# Altium PCB Shredmaster.PcbDoc
Units mil, origin at the board's own origin, x right, y up, seen from the top; angles counter-clockwise.
Board outline 2325 x 3865 mil, 2 copper layers (Top Layer, Bottom Layer); 78 components, 50 nets, 203 pads, 180 vias.
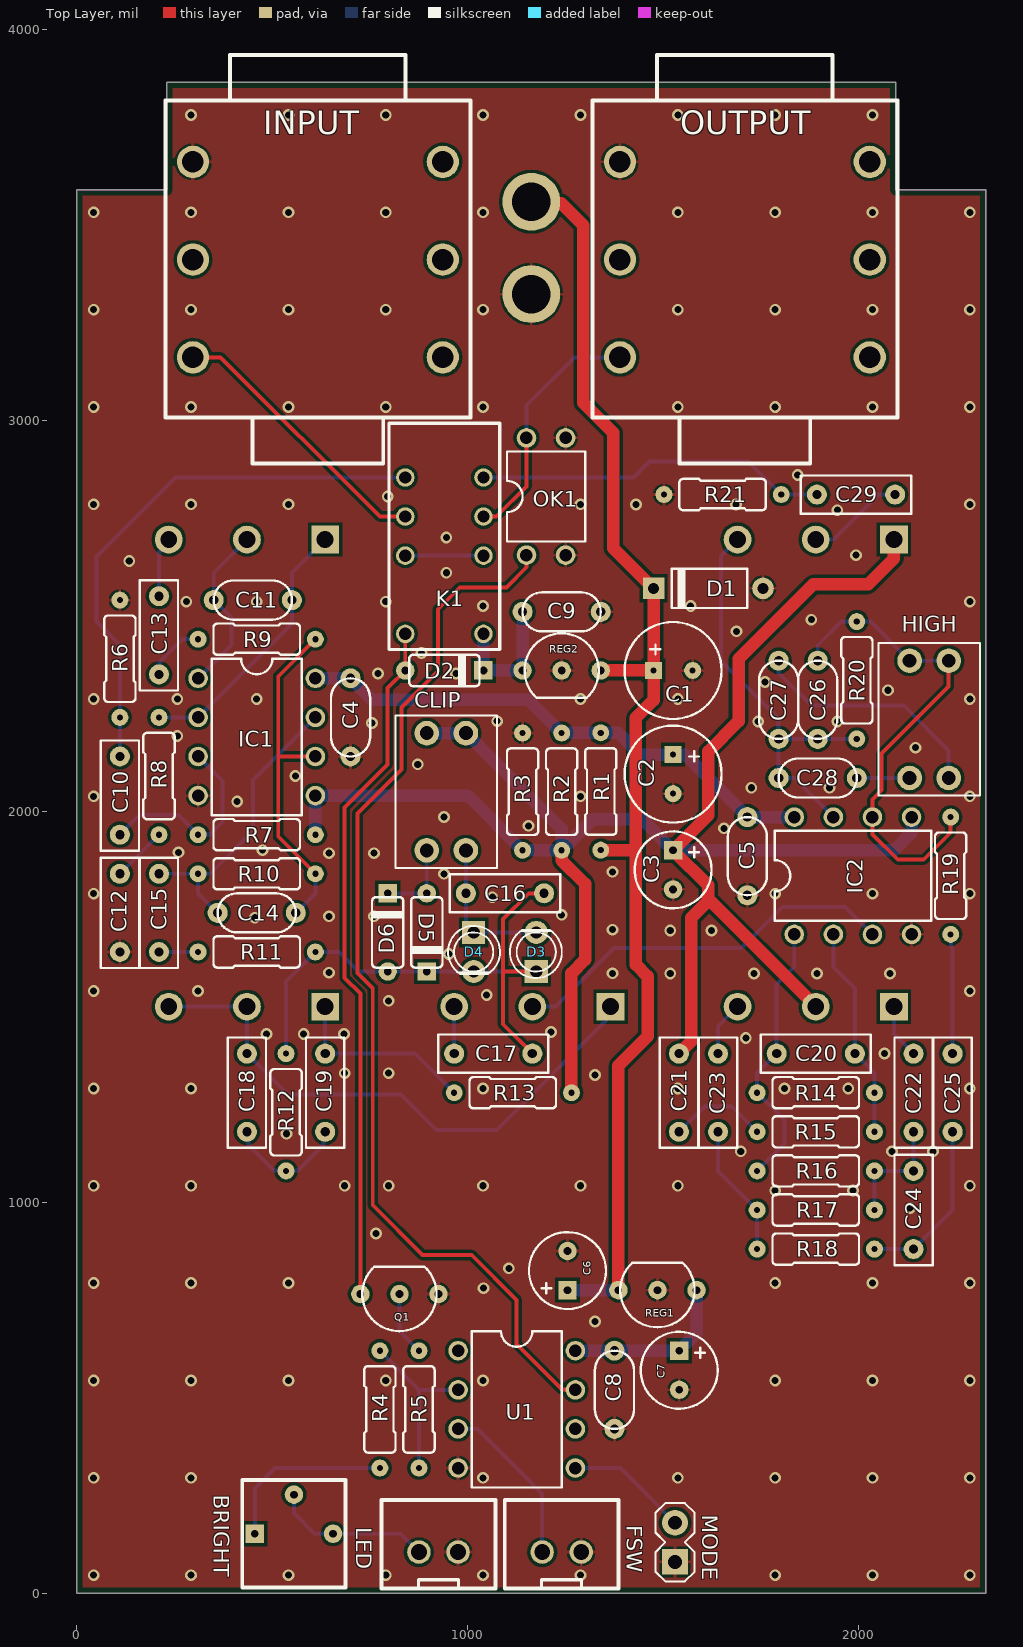
[diagram p0: Top Layer view]
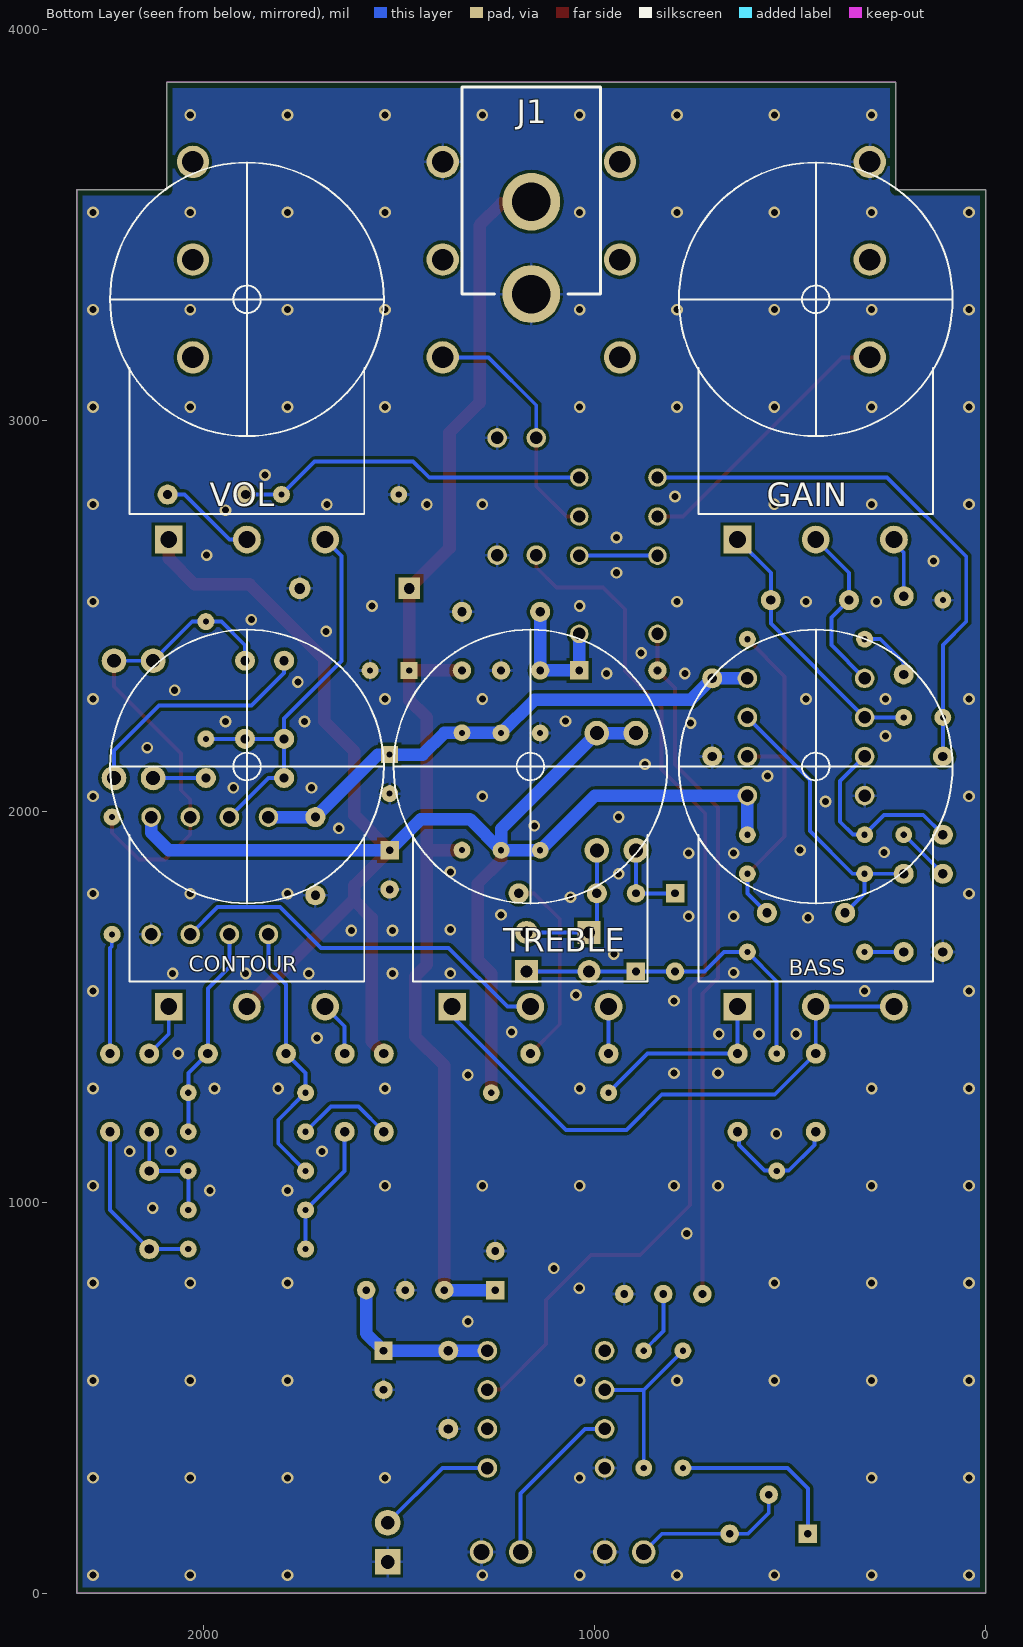
[diagram p1: Bottom Layer view, seen from below]
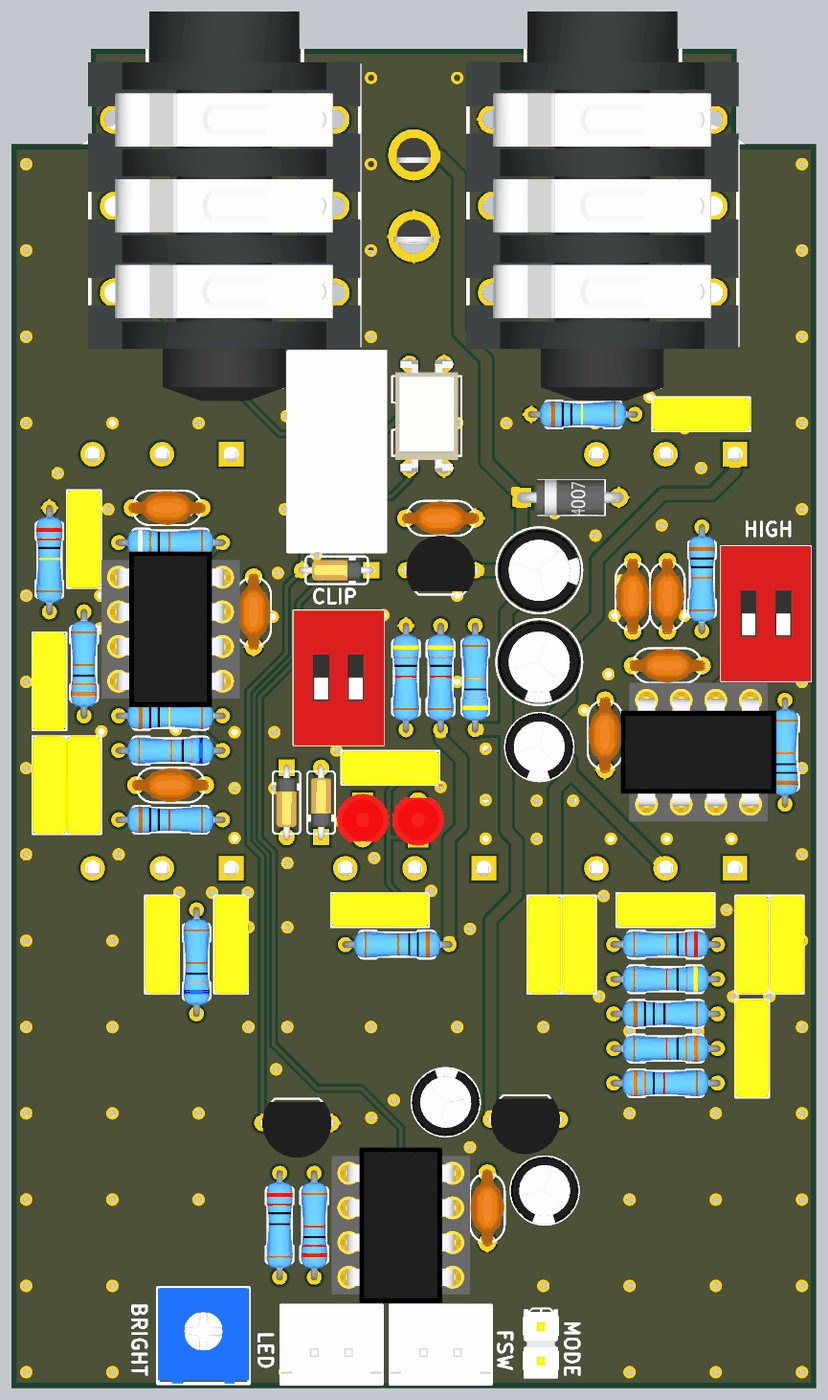
[diagram p2: 3D render of the assembled board from above, using the file's embedded part models]
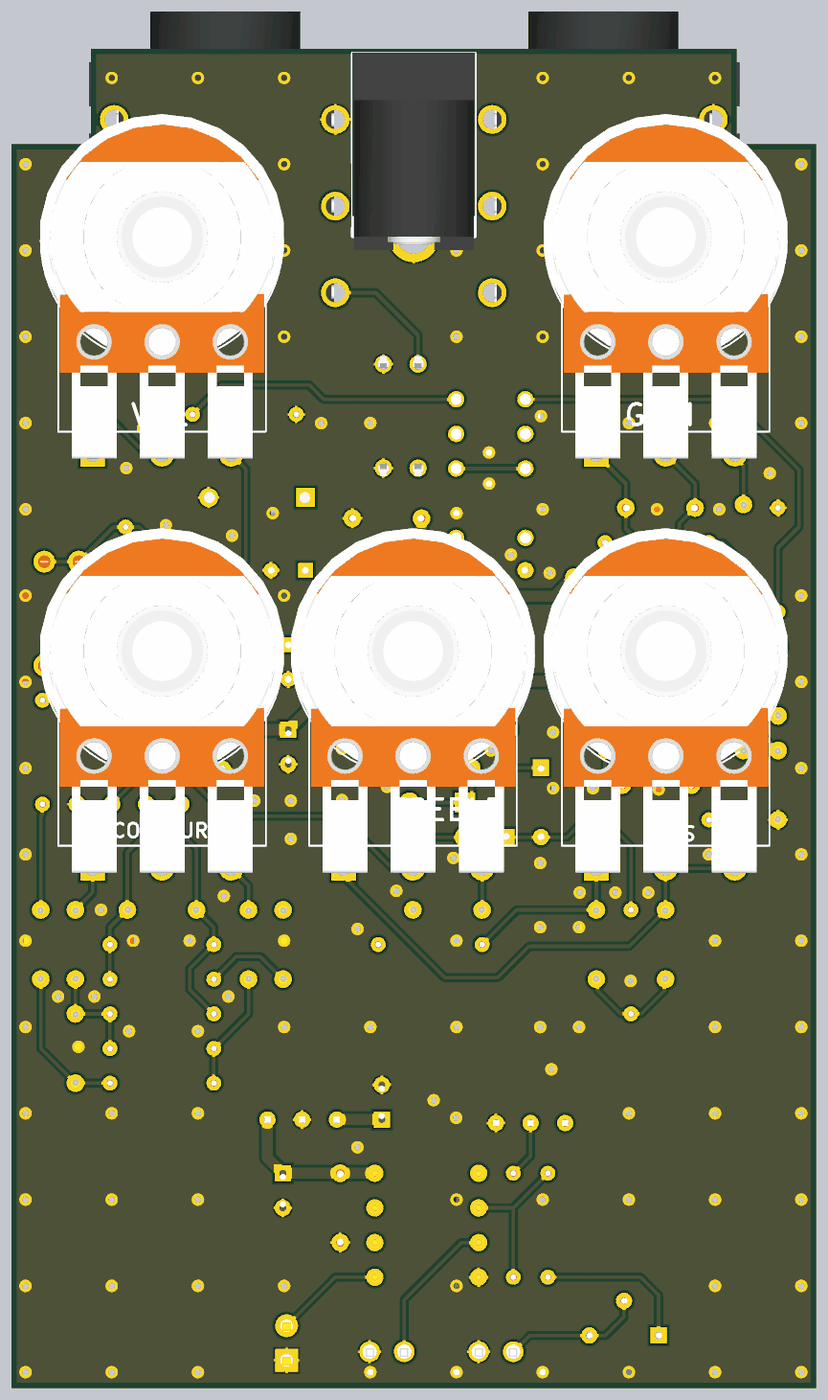
[diagram p3: 3D render of the assembled board from below, using the file's embedded part models]

## Layer stack, top to bottom
Top Solder: solder mask 0.4, Solder Resist, Dk 3.5
Top Layer: signal copper 1.4
Dielectric 1: dielectric 12.6, FR-4, Dk 4.8
Bottom Layer: signal copper 1.4
Bottom Solder: solder mask 0.4, Solder Resist, Dk 3.5

## Board outline
2094.65,3865 2094.65,3590 2325,3590 2325,0 0,0 0,3590 230.3,3590 230.3,3865

## Design rules (kind name [scope] priority, off if disabled: settings)
BoardOutlineClearance BottomOverlay [OnLayer('Bottom Overlay')] p1: gap=0 ignorepadtopadclearanceinfootprint=FALSE
BoardOutlineClearance TopOverlay [OnLayer('Top Overlay')] p2: gap=0 ignorepadtopadclearanceinfootprint=FALSE
BoardOutlineClearance [All] p3: gap=15 ignorepadtopadclearanceinfootprint=FALSE
Clearance [All] p1: gap=8 ignorepadtopadclearanceinfootprint=FALSE except(0: Arc-Text Arc-Hole Track-Text Track-Hole SMDPad-Text SMDPad-Hole THPad-Text THPad-Hole Via-Text Via-Hole Fill-Text Fill-Hole Poly-Text Poly-Hole Region-Text Region-Hole Text-Text Text-Hole)
ComponentClearance [All] p1 off: gap=1 collisioncheckmode=3 verticalgap=1 showdistances=FALSE
DiffPairsRouting [All] p1: maxlimit=393.7 minlimit=6 mostfreqgap=8 toplayer_minwidth=6 toplayer_maxwidth=15 toplayer_prefwidth=8 bottomlayer_minwidth=6 bottomlayer_maxwidth=15 bottomlayer_prefwidth=8 maxuncoupledlength=500
Height [All] p1 off: minheight=0 maxheight=1000 prefheight=500
HoleSize [All] p1: absolutevalues=TRUE maxlimit=265 minlimit=13 maxpercent=80.000 minpercent=20.000
HoleToHoleClearance [All] p1: gap=10 allowstackedmicrovias=FALSE
MinimumAnnularRing [All] p1: minimumring=6
MinimumSolderMaskSliver [All] p1: minsoldermaskwidth=0
PlaneClearance [All] p1: clearance=10
PlaneConnect [All] p1: planeconnectstyle=Direct reliefexpansion=16 reliefentries=4 reliefconductorwidth=6 reliefairgap=6
PolygonConnect Vias [All vs IsVia] p1: connectstyle=Direct reliefconductorwidth=10 reliefentries=4 polygonreliefangle="90 Angle" airgapwidth=10
PolygonConnect [All] p2: connectstyle=Relief reliefconductorwidth=8 reliefentries=4 polygonreliefangle="90 Angle" airgapwidth=6
RoutingCorners [All] p1: cornerstyle=45-Degree minsetback=49.21 maxsetback=49.21
RoutingVias [All] p1: holewidth=15 width=30 viastyle="Through Hole" minholewidth=13 minwidth=27 maxholewidth=100 maxwidth=114
SilkToSilkClearance [All] p1 off: silktosilkclearance=0
SilkToSolderMaskClearance [IsPad] p1 off: minsilkscreentomaskgap=6 clearancetoexposedcopper=TRUE
SolderMaskExpansion [All] p1: expansion=2.95
Width [All] p1: maxlimit=32 minlimit=10 preferedwidth=10
19 further rules are at their usual default settings.

## Components (designator, comment, footprint, x,y, rotation, side; value= is the part's Value field where it differs from the comment)
BASS "100kA" ALPHA_16mm_BOTTOM 435,1499.37 r180 bottom
BRIGHT "10kB" BOURNS_3362P 555,151.89 r0 top
C1 "100u" ELEC_063_025 1525,2360 r0 top
C2 "100u" ELEC_063_025 1525,2095 r270 top
C3 "47u" ELEC_050_020 1525,1850 r270 top
C4 "100n" CER_050 700,2240 r270 top
C5 "100n" CER_050 1715,1885 r270 top
C6 "10u" ELEC_050_020 1254.93,825 r90 top
C7 "10u" ELEC_050_020 1540.7,570 r270 top
C8 "100n" CER_050 1375,520 r90 top
C9 "100n" CER_050 1240,2510 r0 top
C10 "10n" FILMBOX_SMALL 110,2040 r90 top
C11 "100p" CER_050 450,2540 r0 top
C12 "47n" FILMBOX_SMALL 110,1740 r270 top
C13 "68n" FILMBOX_SMALL 210,2450 r90 top
C14 "47p" CER_050 460,1740 r0 top
C15 "100n" FILMBOX_SMALL 210,1740 r90 top
C16 "2.2n" FILMBOX_SMALL 1095,1790 r180 top
C17 "22n" FILMBOX_SMALL 1065,1380 r0 top
C18 "220n" FILMBOX_SMALL 435,1280 r270 top
C19 "22n" FILMBOX_SMALL 635,1280 r270 top
C20 "2.2n" FILMBOX_SMALL 1890,1380 r0 top
C21 "220n" FILMBOX_SMALL 1540,1280 r90 top
C22 "100n" FILMBOX_SMALL 2140,1280 r90 top
C23 "47n" FILMBOX_SMALL 1640,1280 r90 top
C24 "1n" FILMBOX_SMALL 2140,980 r90 top
C25 "220n" FILMBOX_SMALL 2240,1280 r270 top
C26 "200p" CER_050 1895,2285 r90 top
C27 "330p" CER_050 1795,2285 r90 top
C28 "470p" CER_050 1895,2085 r0 top
C29 "220n" FILMBOX_SMALL 1992.9,2810 r0 top
CLIP "DIP" DIP_2WAY 945,2049.88 r180 top
CONTOUR "100kB" ALPHA_16mm_BOTTOM 1890,1499.37 r180 bottom
D1 "D_1N4002" DO41_2 1615,2570 r0 top
D2 "D_1N4148" DO35_2 940,2360 r180 top
D3 "D_LED" LED_3MM 1175,1640 r90 top
D4 "D_LED" LED_3MM 1015,1640 r270 top
D5 "1N4148" DO35_2 895,1690 r90 top
D6 "1N4148" DO35_2 795,1690 r270 top
FSW "J_JST-XH-02" JST-XH-02 1240,105 r0 top
GAIN "250kB" ALPHA_16mm_BOTTOM 435,2694.37 r180 bottom
HIGH "DIP" DIP_2WAY 2180,2235 r180 top
IC1 "TL072" DIL8 460,2190 r270 top
IC2 "TL072" DIL8 1985,1835 r0 top
INPUT "J_STEREO" STEREO 616.41,3411 r90 top
J1 "J_DC_JACK" DC_JACK 1162.5,3742.15 r0 bottom
K1 "K_NA5W-K" NA5 940,2703.66 r90 top
LED "J_JST-XH-02" JST-XH-02 925,105 r0 top
MODE "J_HEADER_2PINS" HEADER_2PINS 1530,130 r270 top
OK1 "OK_TLP222G" DIL4 1200,2805 r0 top
OUTPUT "J_STEREO" STEREO 1708.6,3411 r90 top
Q1 "Q_2N3904" TO92 825,765 r180 top
R1 "47R" R_3_47R_025W 1340,2050.5 r90 top
R2 "47k" R_3_47k_025W 1240,2050 r270 top
R3 "47k" R_3_47k_025W 1140,2050 r270 top
R4 "220R" R_3_220R_025W 775,470 r270 top
R5 "22k" R_3_22k_025W 875,470 r90 top
R6 "2.2M" R_3_2,2M_025W 110,2390 r270 top
R7 "1M" R_3_1M_025W 460,1940 r0 top
R8 "3.3k" R_3_3.3k_025W 210,2090 r90 top
R9 "9.1k" R_3_9,1k_025W 460,2440 r0 top
R10 "680k" R_3_680k_025W 460,1840 r180 top
R11 "10k" R_3_10k_025W 460,1640 r0 top
R12 "6.8k" R_3_6.8k_025W 535,1230 r90 top
R13 "1k" R_3_1k_025W 1115,1280 r180 top
R14 "220k" R_3_220k_025W 1890,1280 r180 top
R15 "47k" R_3_47k_025W 1890,1180 r180 top
R16 "100R" R_3_100R_025W 1890,1080 r0 top
R17 "33k" R_3_33k_025W 1890,980 r180 top
R18 "33k" R_3_33k_025W 1890,880 r0 top
R19 "100k" R_3_100k_025W 2235,1835 r90 top
R20 "100k" R_3_100k_025W 1995,2335 r270 top
R21 "1M" R_3_1M_025W 1651.72,2810 r0 top
REG1 "REG_LM78L05" TO92 1485,775 r180 top
REG2 "REG_LM78L05" TO92 1240,2360 r0 top
TREBLE "25kB" ALPHA_16mm_BOTTOM 1165,1499.37 r180 bottom
U1 "U_ATTINY85" DIP8 1125,470 r270 top
VOL "100kA" ALPHA_16mm_BOTTOM 1890,2694.37 r180 bottom

## Footprints (in the part's own frame and the unit in brackets; to place one, negate y for a bottom-side part, rotate by r counter-clockwise, add the part's x,y. Pads: shape width x height; smd on the part's side, far side on the other; paste and mask are expansions set on the pad)
ALPHA_16mm_BOTTOM [mil]
  rect 70.87x70.87 hole 43.31: 1(-200,0.63)
  round 70.87 hole 43.31: 2(0,0.63) 3(200,0.63)
  silkscreen extent -350,66 350,965, body extent -354,-12 445,982, height 1067
BOURNS_3362P [mil]
  rect 47.24x47.24 hole 19.69: 1(-99.75,0)
  round 47.24 hole 19.69: 2(0.25,100) 3(100.25,0)
  silkscreen extent -132,-138 132,138, body extent -132,-139 132,138, height 192
CER_050 [mil]
  round 51.18 hole 23.62: 1(-100,0) 2(100,0)
  silkscreen extent -100,-50 100,50, body extent -117,-49 110,66, height 196
DC_JACK [mil]
  round 147.65 hole 98.43: GND(0,183.15) PWR(0,419.37)
  silkscreen extent -177,-110 177,419, body extent -350,-112 177,458, height 433
DIL4 [mil]
  round 50 hole 32: 1(-50,-150) 2(50,-150) 3(50,150) 4(-50,150)
  silkscreen extent -100,-115 100,115, body extent -90,-173 90,173, height 174
DIL8 [mil]
  round 50 hole 32: 1(-150,-150) 2(-50,-150) 3(50,-150) 4(150,-150) 5(150,150) 6(50,150) 7(-50,150) 8(-150,150)
  silkscreen extent -200,-115 200,115, body extent -225,-200 225,200, height 335
DIP8 [mil]
  round 50 hole 32: 1(-150,-150) 2(-50,-150) 3(50,-150) 4(150,-150) 5(150,150) 6(50,150) 7(-50,150) 8(-150,150)
  silkscreen extent -200,-115 200,115, body extent -225,-200 225,200, height 335
DIP_2WAY [mil]
  round 62.99 hole 35.43: A1(-50,150) A2(-50,-150) B1(50,150) B2(50,-150)
  silkscreen extent -130,-195 130,195, body extent -131,-195 131,195, height 281
DO35_2 [mil]
  round 47.24 hole 19.69: A(100,0)
  rect 47.24x47.24 hole 19.69: C(-100,0)
  silkscreen extent -90,-40 90,40, body extent -108,-30 108,30, height 60
DO41_2 [mil]
  round 55.12 hole 27.56: A(140,0)
  rect 55.12x55.12 hole 27.56: C(-140,0)
  silkscreen extent -94,-50 100,50, body extent -154,-52 154,52, height 112
ELEC_050_020 [mil]
  rect 47.24x47.24 hole 19.69: +(-50,0)
  round 47.24 hole 19.69: -(50,0)
  silkscreen extent -98,-98 98,98, body extent -98,-98 98,98, height 277
ELEC_063_025 [mil]
  rect 43.31x43.31 hole 15.75: +(-50,0)
  round 43.31 hole 15.75: -(50,0)
  silkscreen extent -124,-124 124,124, body extent -118,-118 118,118, height 314
FILMBOX_SMALL [mil]
  round 51.18 hole 23.62: 1(-100,0) 2(100,0)
  silkscreen extent -141,-49 141,49, body extent -142,-48 142,50, height 256
HEADER_2PINS [mil]
  rect 66x66 hole 35.43: 1(50,0)
  round 66 hole 35.43: 2(-50,0)
  silkscreen extent -100,-50 100,50, body extent -102,-50 102,50, height 330
JST-XH-02 [mil]
  round 60 hole 40: 1(-50,0) 2(50,0)
  silkscreen extent -146,-93 146,134, body extent -146,-95 146,131, height 276
LED_3MM [mil]
  rect 59.06x59.06 hole 31.5: ANODE(-50,0)
  round 59.06 hole 31.5: P$1(50,0)
  silkscreen extent -67,-65 56,67, body extent -75,-75 160,75, height 221
NA5 [mil]
  round 47.25 hole 31.5: 1(-250,-100) 3(-50,-100) 4(50,-100) 5(150,-100) 8(150,100) 9(50,100) 10(-50,100) 12(-250,100)
  silkscreen extent -290,-142 289,142, body extent -291,-144 291,144, height 362
R_3_1k_025W [mil]
  round 43.31 hole 15.75: 1(-150,0) 2(150,0)
  silkscreen extent -111,-40 111,40, body extent -160,-38 160,38, height 83
R_3_1M_025W [mil]
  round 43.31 hole 15.75: 1(-150,0) 2(150,0)
  silkscreen extent -111,-40 111,40, body extent -160,-38 160,38, height 83
R_3_2,2M_025W [mil]
  round 43.31 hole 15.75: 1(-150,0) 2(150,0)
  silkscreen extent -111,-40 111,40, body extent -160,-38 160,38, height 83
R_3_3.3k_025W [mil]
  round 43.31 hole 15.75: 1(-150,0) 2(150,0)
  silkscreen extent -111,-40 111,40, body extent -160,-38 160,38, height 83
R_3_6.8k_025W [mil]
  round 43.31 hole 15.75: 1(-150,0) 2(150,0)
  silkscreen extent -111,-40 111,40, body extent -160,-38 160,38, height 83
R_3_9,1k_025W [mil]
  round 43.31 hole 15.75: 1(-150,0) 2(150,0)
  silkscreen extent -111,-40 111,40, body extent -160,-38 160,38, height 83
R_3_10k_025W [mil]
  round 43.31 hole 15.75: 1(-150,0) 2(150,0)
  silkscreen extent -111,-40 111,40, body extent -160,-38 160,38, height 83
R_3_22k_025W [mil]
  round 43.31 hole 15.75: 1(-150,0) 2(150,0)
  silkscreen extent -111,-40 111,40, body extent -160,-38 160,38, height 83
R_3_33k_025W [mil]
  round 43.31 hole 15.75: 1(-150,0) 2(150,0)
  silkscreen extent -111,-40 111,40, body extent -160,-38 160,38, height 83
R_3_47k_025W [mil]
  round 43.31 hole 15.75: 1(-150,0) 2(150,0)
  silkscreen extent -111,-40 111,40, body extent -160,-38 160,38, height 83
R_3_47R_025W [mil]
  round 43.31 hole 15.75: 1(-150,0) 2(150,0)
  silkscreen extent -111,-40 111,40, body extent -160,-38 160,38, height 83
R_3_100k_025W [mil]
  round 43.31 hole 15.75: 1(-150,0) 2(150,0)
  silkscreen extent -111,-40 111,40, body extent -160,-38 160,38, height 83
R_3_100R_025W [mil]
  round 43.31 hole 15.75: 1(-150,0) 2(150,0)
  silkscreen extent -111,-40 111,40, body extent -160,-38 160,38, height 83
R_3_220k_025W [mil]
  round 43.31 hole 15.75: 1(-150,0) 2(150,0)
  silkscreen extent -111,-40 111,40, body extent -160,-38 160,38, height 83
R_3_220R_025W [mil]
  round 43.31 hole 15.75: 1(-150,0) 2(150,0)
  silkscreen extent -111,-40 111,40, body extent -160,-38 160,38, height 83
R_3_680k_025W [mil]
  round 43.31 hole 15.75: 1(-150,0) 2(150,0)
  silkscreen extent -111,-40 111,40, body extent -160,-38 160,38, height 83
STEREO [mil]
  round 82.68 hole 55.12: R(0,319.49) RN(0,-319.49) S(250,319.49) SN(250,-319.49) T(-250,319.49) TN(-250,-319.49)
  silkscreen extent -522,-390 524,390, body extent -562,-392 562,395, height 610
TO92 [mil]
  round 47.24 hole 19.69: 1(100,0) 2(0,0) 3(-100,0)
  silkscreen extent -95,-70 95,95, body extent -109,-61 109,100, height 255

## Part data
BASS VOL: library part POT_100kA_ALPHA_16mm, "100k Log potentiometer round shaft", Package="PCB Mounted", Dimensions=16mm, Price=0.5
BRIGHT: library part TRIM_10kB_3362P, "10k Lin 3362P trimmer", Price=0.1
C1 C2: library part C_ELEC_100u_25V, "100u 25V electrolytic capacitor", Package=Radial, Dimensions=6.3x8mm, PinSpacing=2.54mm, Price=0.02
C3: library part C_ELEC_47u_25V, "47u 25V electrolytic capacitor", Package=Radial, Dimensions=5x8mm, PinSpacing=2mm, Price=0.02
C4 C5 C8 C9: library part C_CER_100n, "100n MLCC X7R radial capacitor", Package=Radial, PinSpacing=5.08mm, Price=0.02
C6 C7: library part C_ELEC_10u_50V, "10u 50V electrolytic capacitor", Package=Radial, Dimensions=4x8mm, PinSpacing=2mm, Price=0.02
C10: library part C_FILMBOX_10n, "10n 100V polyester film box capacitor", Package=Radial, Dimensions=7.2x2.5x6.5mm, PinSpacing=5.08mm, Price=0.05
C11: library part C_CER_100p, "100p MLCC X7R radial capacitor", Package=Radial, PinSpacing=5.08mm, Price=0.01
C12 C23: library part C_FILMBOX_47n, "47n 100V polyester film box capacitor", Package=Radial, Dimensions=7.2x2.5x6.5mm, PinSpacing=5.08mm, Price=0.05
C13: library part C_FILMBOX_68n, "68n 100V polyester film box capacitor", Package=Radial, Dimensions=7.2x2.5x6.5mm, PinSpacing=5.08mm, Price=0.05
C14: library part C_CER_47p, "47p MLCC X7R radial capacitor", Package=Radial, PinSpacing=5.08mm, Price=0.01
C15 C22: library part C_FILMBOX_100n, "100n 100V polyester film box capacitor", Package=Radial, Dimensions=7.2x2.5x6.5mm, PinSpacing=5.08mm, Price=0.05
C16 C20: library part C_FILMBOX_2.2n, "2.2n 100V polyester film box capacitor", Package=Radial, Dimensions=7.2x2.5x6.5mm, PinSpacing=5.08mm, Price=0.05
C17 C19: library part C_FILMBOX_22n, "22n 100V polyester film box capacitor", Package=Radial, Dimensions=7.2x2.5x6.5mm, PinSpacing=5.08mm, Price=0.05
C18 C21 C25 C29: library part C_FILMBOX_220n, "220n 100V polyester film box capacitor", Package=Radial, Dimensions=7.2x2.5x6.5mm, PinSpacing=5.08mm, Price=0.05
C24: library part C_FILMBOX_1n, "1n 100V polyester film box capacitor", Package=Radial, Dimensions=7.2x2.5x6.5mm, PinSpacing=5.08mm, Price=0.05
C26: library part C_CER_200p, "200p MLCC X7R radial capacitor", Package=Radial, PinSpacing=5.08mm, Price=0.01
C27: library part C_CER_330p, "330p MLCC X7R radial capacitor", Package=Radial, PinSpacing=5.08mm, Price=0.01
C28: library part C_CER_470p, "470p MLCC X7R radial capacitor", Package=Radial, PinSpacing=5.08mm, Price=0.01
CLIP HIGH: library part SW_DIP_2WAY, "DIP Switch 2 way", Price=0.1
CONTOUR: library part POT_100kB_ALPHA_16mm, "100k Lin potentiometer round shaft", Package="PCB Mounted", Dimensions=16mm, Price=0.5
D1: "1N4002", Package=DO-41, PinSpacing=7.62mm, Price=0.01
D2: "1N4148", Package=DO-35, PinSpacing=5.08mm, Price=0.01
D3 D4: "LED", Package=T1, Dimensions=3mm, Price=0.01
D5 D6: library part D_1N4148, Package=DO-35, PinSpacing=5.08mm, Price=0.01
FSW LED: "2 Pins male XH header", Price=0.1
GAIN: library part POT_250kB_ALPHA_16mm, "250k Lin potentiometer round shaft", Package="PCB Mounted", Dimensions=16mm, Price=0.5
IC1 IC2: library part IC_TL072, Package=DIP-8, Price=0.1
INPUT OUTPUT: "6.35mm stereo insulated socket jack PCB mounted", Price=0.5
J1: "DC Power jack 2.1mm barrel", Price=0.05
K1: "NA5W-K", Price=1.1
MODE: "2 Pins male header", Pin spacing=2.54mm, Price=0.01
OK1: "TLP222G", Price=0.36
Q1: "2N3904", Package=TO-92, Price=0.01
R1: library part R_3_47R_025W, "47R metal film 1/4W Resistor", PinSpacing=7.62mm, Price=0.01
R2 R3 R15: library part R_3_47k_025W, "47k metal film 1/4W Resistor", PinSpacing=7.62mm, Price=0.01
R4: library part R_3_220R_025W, "220R metal film 1/4W Resistor", PinSpacing=7.62mm, Price=0.01
R5: library part R_3_22k_025W, "22k metal film 1/4W Resistor", PinSpacing=7.62mm, Price=0.01
R6: library part R_3_2.2M_025W, "2.2M metal film 1/4W Resistor", PinSpacing=7.62mm, Price=0.01
R7 R21: library part R_3_1M_025W, "1M metal film 1/4W Resistor", PinSpacing=7.62mm, Price=0.01
R8: library part R_3_3.3k_025W, "3.3k metal film 1/4W Resistor", PinSpacing=7.62mm, Price=0.01
R9: library part R_3_9.1k_025W, "9.1k metal film 1/4W Resistor", PinSpacing=7.62mm, Price=0.01
R10: library part R_3_680k_025W, "680k metal film 1/4W Resistor", PinSpacing=7.62mm, Price=0.01
R11: library part R_3_10k_025W, "10k metal film 1/4W Resistor", PinSpacing=7.62mm, Price=0.01
R12: library part R_3_6.8k_025W, "6.8k metal film 1/4W Resistor", PinSpacing=7.62mm, Price=0.01
R13: library part R_3_1k_025W, "1k metal film 1/4W Resistor", PinSpacing=7.62mm, Price=0.01
R14: library part R_3_220k_025W, "220k metal film 1/4W Resistor", PinSpacing=7.62mm, Price=0.01
R16: library part R_3_100R_025W, "100R metal film 1/4W Resistor", PinSpacing=7.62mm, Price=0.01
R17 R18: library part R_3_33k_025W, "33k metal film 1/4W Resistor", PinSpacing=7.62mm, Price=0.01
R19 R20: library part R_3_100k_025W, "100k metal film 1/4W Resistor", PinSpacing=7.62mm, Price=0.01
REG1 REG2: "78L05", Package=TO-92, Price=0.01
TREBLE: library part POT_25kB_ALPHA_16mm, "25k Lin potentiometer round shaft", Package="PCB Mounted", Dimensions=16mm, Price=0.5
U1: "ATTINY85-20PU", Package=DIP-8, Price=1.2

## Via types
v1: diameter 30, hole 18, Top Layer to Bottom Layer, 180 vias

## Nets (pads, with @x,y where several pads share a name; then routed paths per layer and width w, separated by ;. In a path a pad name is that pad's centre, name@x,y a point inside that pad or via, vN(x,y) a via of type N, cw(c..) or ccw(c..) an arc to the next point about the centre after c; other vN are vias at no path point)
+5V: C7.+ C8.2 REG1.3 U1.8 | length 439.1
  Bottom Layer w32: U1.8 C8.2 C7.+ 1585,664.3 REG1.3
+9V: C1.+ C6.+ D1.C J1.GND R1.1 REG1.1 REG2.1 | length 3375
  Top Layer w32: J1.GND 1166.5,3555 1239,3555 1294.78,3499.22 1294.78,3045.22 1371.89,2968.11 1371.89,2673.11 D1.C C1.+ ; R1.1 1429.5,1900.5 1430,1900 ; REG2.1 C1.+ ; REG1.1 1385,1349.34 1460,1424.34 1460,1577.58 1430,1607.58 1430,1900 ; 1430,1900 1430,2239.38 1475,2284.38 C1.+
  Bottom Layer w32: C6.+ REG1.1 REG1.1@1383.8,776.2
GND: C1.- C2.- C3.- C4.2 C5.2 C6.- C7.- C8.1 C9.2 C12.2 D1.A FSW.2 IC1.4 IC2.4 INPUT.S J1.PWR LED.2 MODE.1 OK1.2 OK1.3 OUTPUT.S Q1.3 R3.1 R6.1 R21.1 REG1.2 REG2.2 U1.4
  other v1: 43,46 292,46 541,46 790,46 1039,46 1288,46 1786,46 2035,46 2284,46 43,295 292,295 1039,295 1537,295 1786,295 2035,295 2284,295 43,544 292,544 541,544 790,544 1039,544 1786,544 2035,544 2284,544 1325,695 1040,780 43,793 292,793 541,793 1786,793 2035,793 2284,793 1105,830.84 765,920 2131.23,985 1786,1030 1985,1030 43,1042 292,1042 685,1042 797.38,1042 1039,1042 1288,1042 1537,1042 2284,1042 1698.06,1130 2085,1130 2190,1130 536.04,1175 43,1291 292,1291 1039,1291 1537,1291 1810,1291 1973.06,1291 2284,1291 1325,1325 685,1330 797.38,1330 2065.9,1380 1711.11,1420 485,1430 580.09,1430 683.06,1430 1212.85,1435 797.38,1515 1048.26,1530 43,1540 310,1540 2284,1540 1369.91,1585.28 1517.78,1585 1731.94,1585 1893.2,1585 2080,1585 645,1586.94 951.46,1635 1517.78,1695 1623.06,1695 1369.91,1697 455,1727.53 645,1731.23 760,1731.23 1240,1735 1062.56,1780 43,1789 1786,1789 2035,1789 2284,1789 939.1,1840 1369.91,1845 645,1892.76 760,1892.76 260,1895 475,1900.5 1655,1956.17 1155,1962.68 939.1,1985 410,2025 43,2038 1288,2038 2284,2038 1725,2060 1925,2060 558.77,2090 871.9,2120 2145,2162.46 256.9,2192.26 755,2225.9 1742.59,2229.25 1945,2229.25 1075,2230.41 43,2287 256.9,2287 460,2287 1288,2287 1537,2287 2284,2287 2075,2309.4 1760,2330.34 770,2352 970,2352 881.75,2405 1687.41,2460 1878.66,2490 1039,2525 1570,2525 280,2536 460,2536 790,2536 2284,2536 945,2610 133.96,2640 1992.9,2655 945,2700 1945,2770 1430,2784.47 1685.66,2784.47 43,2785 292,2785 541,2785 1288,2785 2284,2785 795,2805 1843.61,2860 43,3034 292,3034 541,3034 790,3034 1039,3034 1537,3034 1786,3034 2035,3034 2284,3034 43,3283 292,3283 541,3283 790,3283 1039,3283 1537,3283 1786,3283 2035,3283 2284,3283 43,3532 292,3532 541,3532 790,3532 1039,3532 1537,3532 1786,3532 2035,3532 2284,3532 292,3781 541,3781 790,3781 1039,3781 1288,3781 1537,3781 1786,3781 2035,3781
INPUT: INPUT.T K1.9 | length 711.8
  Top Layer w10: INPUT.T 367.66,3161 775,2753.66 K1.9
NetBASS_1: BASS.1 C19.1 R13.2 | length 491.4
  Bottom Layer w10: BASS.1 C19.1 865,1380 R13.2
NetBASS_2: BASS.2 BASS.3 C18.1 TREBLE.1 | length 1499.1
  Bottom Layer w10: BASS.3 BASS.2 C18.1 540,1275 829.1,1275 919.1,1185 1073.89,1185 1363.86,1474.97 1363.86,1498.86 TREBLE.1 TREBLE.1@1365,1476.12
NetBRIGHT_1: BRIGHT.1 R4.2 | length 457.5
  Bottom Layer w10: BRIGHT.1 455.25,268.08 507.16,320 R4.2
NetBRIGHT_2: BRIGHT.2 BRIGHT.3 LED.1 | length 408.2
  Bottom Layer w10: BRIGHT.2 555.25,204.75 608.11,151.89 BRIGHT.3 828.11,151.89 LED.1
NetC9_1: C9.1 D2.C K1.1 REG2.3 | length 343.7
  Bottom Layer w32: K1.1 D2.C REG2.3 C9.1
NetC10_1: C10.1 IC1.3 R7.1 | length 511.1
  Bottom Layer w10: C10.1 160,1990 260,1990 R7.1 339.91,1940 372.93,1973.02 372.93,2077.07 IC1.3
NetC11_1: C11.1 GAIN.2 IC1.1 | length 444.1
  Bottom Layer w10: IC1.1 395,2425 395,2495 C11.1 350,2610 GAIN.2
NetC11_2: C11.2 GAIN.1 IC1.2 R8.2 | length 689.6
  Bottom Layer w10: R8.2 IC1.2 550,2480 C11.2 550,2610 GAIN.1
NetC12_1: C12.1 R8.1 | length 141.4
  Bottom Layer w10: C12.1 R8.1
NetC13_1: C13.1 R9.1 | length 154.9
  Bottom Layer w10: C13.1 211.08,2351.08 211.08,2381.08 270,2440 R9.1
NetC13_2: C13.2 GAIN.3 | length 155.4
  Bottom Layer w10: C13.2 210,2662.13 235,2687.13 GAIN.3
NetC14_1: C14.1 C15.2 IC1.7 R10.2 | length 763.2
  Bottom Layer w10: C15.2 R10.2 ; C14.1 310,1790 R10.2 ; IC1.7 450,2080 450,1948.88 341.12,1840 R10.2
NetC14_2: C14.2 IC1.6 R9.2 R10.1 | length 894.4
  Top Layer w10: R10.1 515,1935 515,2140 ; IC1.6 515,2140 ; R9.2 515,2345 515,2140
  Bottom Layer w10: C14.2 610,1790 R10.1
NetC15_1: C15.1 R11.1 | length 100
  Bottom Layer w10: C15.1 R11.1
NetC16_1: C16.1 C17.2 D3.ANODE D4.P$1 D5.C D6.A R11.2 R12.2 | length 1469.4
  Top Layer w10: C17.2 1090,1455 1090,1589.55 ; D3.ANODE 1090.45,1590 1090,1589.55 ; C16.1 1155.9,1790 1090,1724.1 1090,1589.55
  Bottom Layer w10: R12.2 535,1565 R11.2 670,1640 720,1590 D6.A D5.C D4.P$1 D3.ANODE
NetC16_2: C16.2 CLIP.A1 D3.P$1 D4.ANODE | length 378.2
  Bottom Layer w10: CLIP.A1 C16.2 995,1710 D4.ANODE D3.P$1
NetC17_1: C17.1 TREBLE.3 | length 120
  Bottom Layer w10: C17.1 TREBLE.3
NetC18_2: C18.2 C19.2 R12.1 | length 317.9
  Bottom Layer w10: C18.2 438.75,1176.25 438.75,1146.34 504.2,1080.89 534.11,1080.89 R12.1 535.89,1080.89 565.8,1080.89 631.25,1146.34 631.25,1176.25 C19.2
NetC20_1: C20.1 IC2.1 R14.2 R16.1 | length 702.3
  Bottom Layer w10: R16.1 1810,1150 1810,1210 R14.2 1740,1330 C20.1 1790,1556.64 1835,1601.64 IC2.1
NetC20_2: C20.2 IC2.2 R14.1 R15.1 | length 548.5
  Bottom Layer w10: IC2.2 1935,1601.12 1990,1546.12 C20.2 2040,1330 R14.1 R15.1
NetC21_1: C21.1 R15.2 | length 253.8
  Bottom Layer w10: C21.1 1605,1245 1675,1245 R15.2
NetC22_1: C22.1 C24.2 R16.2 R17.1 | length 300
  Bottom Layer w10: R17.1 R16.2 C24.2 C22.1
NetC22_2: C22.2 CONTOUR.1 | length 140.7
  Bottom Layer w10: CONTOUR.1 2090,1430 C22.2
NetC23_1: C23.1 R17.2 R18.1 | length 341.4
  Bottom Layer w10: C23.1 1640,1080 R17.2 R18.1
NetC23_2: C23.2 CONTOUR.3 | length 140.7
  Bottom Layer w10: C23.2 1640,1450 CONTOUR.3
NetC24_1: C24.1 C25.2 R18.2 | length 441.4
  Bottom Layer w10: R18.2 C24.1 2240,980 C25.2
NetC25_1: C25.1 R19.1 | length 307.1
  Bottom Layer w10: R19.1 2235.89,1684.11 2235.89,1654.2 2240,1650.09 C25.1
NetC26_1: C26.1 C27.1 C28.1 IC2.7 R20.2 VOL.3 | length 1070
  Bottom Layer w10: VOL.3 1647.68,2652.68 1647.68,2384.12 1795,2236.8 C27.1 ; IC2.7 1835,2085 C28.1 C27.1 ; R20.2 C26.1 C27.1
NetC26_2: C26.2 HIGH.A2 HIGH.B2 IC2.6 R19.2 R20.1 | length 1261.4
  Top Layer w10: HIGH.A2 2230,2318.77 2058.54,2147.3 2058.54,2053.54 2035,2030 IC2.6 2035,1940.67 2099.64,1876.03 2166.08,1876.03 2235,1944.96 R19.2
  Bottom Layer w10: C26.2 1895,2424.47 1955.53,2485 R20.1 2030,2485 HIGH.B2 HIGH.A2
NetC27_2: C27.2 HIGH.A1 | length 618.7
  Bottom Layer w10: C27.2 1795,2353.56 1878.56,2270 2115.09,2270 2230,2155.09 HIGH.A1
NetC28_2: C28.2 HIGH.B1 | length 135
  Bottom Layer w10: C28.2 HIGH.B1
NetC29_2: C29.2 VOL.2 | length 250.5
  Bottom Layer w10: VOL.2 1935,2695 2050,2810 C29.2
NetCLIP_B1: CLIP.B1 D5.A D6.C | length 209.9
  Bottom Layer w10: D6.C D5.A CLIP.B1
NetD2_A: D2.A K1.12 Q1.1 | length 1769.4
  Top Layer w10: Q1.1 725,1533.66 685,1573.66 685,2010 795,2120 795,2315 D2.A K1.12
NetIC2_3: IC2.3 TREBLE.2 | length 1004.6
  Bottom Layer w10: TREBLE.2 1224,1500 1374.09,1650.09 1700.09,1650.09 1805,1755 1965,1755 IC2.3
NetK1_3: K1.3 K1.10 | length 200
  Bottom Layer w10: K1.10 K1.3
NetQ1_2: Q1.2 R5.2 | length 165.7
  Bottom Layer w10: Q1.2 825,670 R5.2
OUTPUT: K1.4 OK1.4 OUTPUT.T | length 639.3
  Top Layer w10: K1.4 1072.66,2753.66 1150,2831 OK1.4
  Bottom Layer w10: OK1.4 1150,3038.4 1272.6,3161 OUTPUT.T
PB0: MODE.2 U1.5 | length 313
  Bottom Layer w10: U1.5 1390,320 MODE.2
PB2: OK1.1 U1.7 | length 2708.2
  Top Layer w10: OK1.1 1150,2624 1098.73,2572.73 979.25,2572.73 923.17,2516.65 923.17,2358.17 830,2265 830,2106.91 717.73,1994.63 717.73,1586.08 756.89,1546.92 756.89,992.05 883.95,865 1010.06,865 1125,750.06 1125,636.72 1240.86,520.86 1274.14,520.86 U1.7
PB3: R4.1 R5.1 U1.2 | length 441.4
  Bottom Layer w10: R4.1 875,520 ; R5.1 875,520 ; U1.2 875,520
PB4: FSW.1 U1.3 | length 433.4
  Bottom Layer w10: U1.3 1025.04,420 1190,255.04 FSW.1
RETURN: C29.1 K1.5 R21.2 | length 905.2
  Bottom Layer w10: K1.5 1423.66,2853.66 1465,2895 1716.72,2895 R21.2 C29.1
SEND: C10.2 K1.8 R6.2 | length 1409.9
  Bottom Layer w10: C10.2 R6.2 110,2425 50,2485 50,2651.18 252.48,2853.66 K1.8
Vb: C3.+ C21.2 CLIP.A2 CLIP.B2 CONTOUR.2 IC1.5 IC2.5 R2.2 R3.2 R7.2 R13.1 VOL.1 | length 5057.2
  Top Layer w32: R2.2 1240,1874.47 1300,1814.47 1300,1620.28 1265,1585.28 R13.1 ; C21.2 1571,1411 1571,1727.12 1615,1771.12 1615,1775 ; CONTOUR.2 1615,1775 ; VOL.1 2090,2646.39 2023.61,2580 1883.06,2580 1692.47,2389.41 1692.47,2230.56 1615,2153.1 1615,1990 C3.+ 1615,1810 1615,1775
  Bottom Layer w32: R7.2 IC1.5 1000,2040 R3.2 R2.2 ; CLIP.B2 CLIP.A2 1240,1954.88 R2.2 ; IC2.5 2135,1945 2090,1900 C3.+ 1445,1980 1320,1980 R2.2
Vr: C2.+ C4.1 C5.1 IC1.8 IC2.8 R1.2 R2.1 | length 1372.5
  Bottom Layer w32: IC1.8 C4.1 755,2285 1155,2285 R2.1 1240.5,2200.5 R1.2 1385.15,2200.5 1440.66,2145 C2.+ 1555,2145 C5.1 IC2.8
pads on no net: INPUT.R INPUT.RN INPUT.SN INPUT.TN OUTPUT.R OUTPUT.RN OUTPUT.SN OUTPUT.TN U1.1 U1.6

## Polygon pours and split planes (outlines as drawn)
GND on Top Layer "GND_L01_P010" (solid, pour order 10): 0,0 2325,0 2325,3590 2094.65,3590 2094.65,3865 230.3,3865 230.3,3590 0,3590
GND on Bottom Layer "GND_L02_P008" (solid, pour order 8): 0,0 2325,0 2325,3585 2330,3590 2094.65,3590 2094.65,3865 230.3,3865 230.3,3590 0,3590

## Keep-outs
Keep-Out Layer:
  lines w1: 586.25,0 0,0 0,3590 230.3,3590 230.3,3865 2094.7,3865 2094.7,3590 2325,3590 2325,0 1748.75,0 ; 587.25,0 1749.75,0

## Silkscreen, mask and mechanical layers (free items; w line width, h text height)
Mechanical 3:
  the board outline again, w1